# Altium PCB Powerbank.PcbDoc (part 2 of 2)
Units mm, origin at the board's own origin, x right, y up, seen from the top; angles counter-clockwise.
Board outline 50.55 x 47.37 mm, 4 copper layers (L1, L2, L3, L4), stack 0.603 mm thick; 108 components, 63 nets, 357 pads, 198 vias.
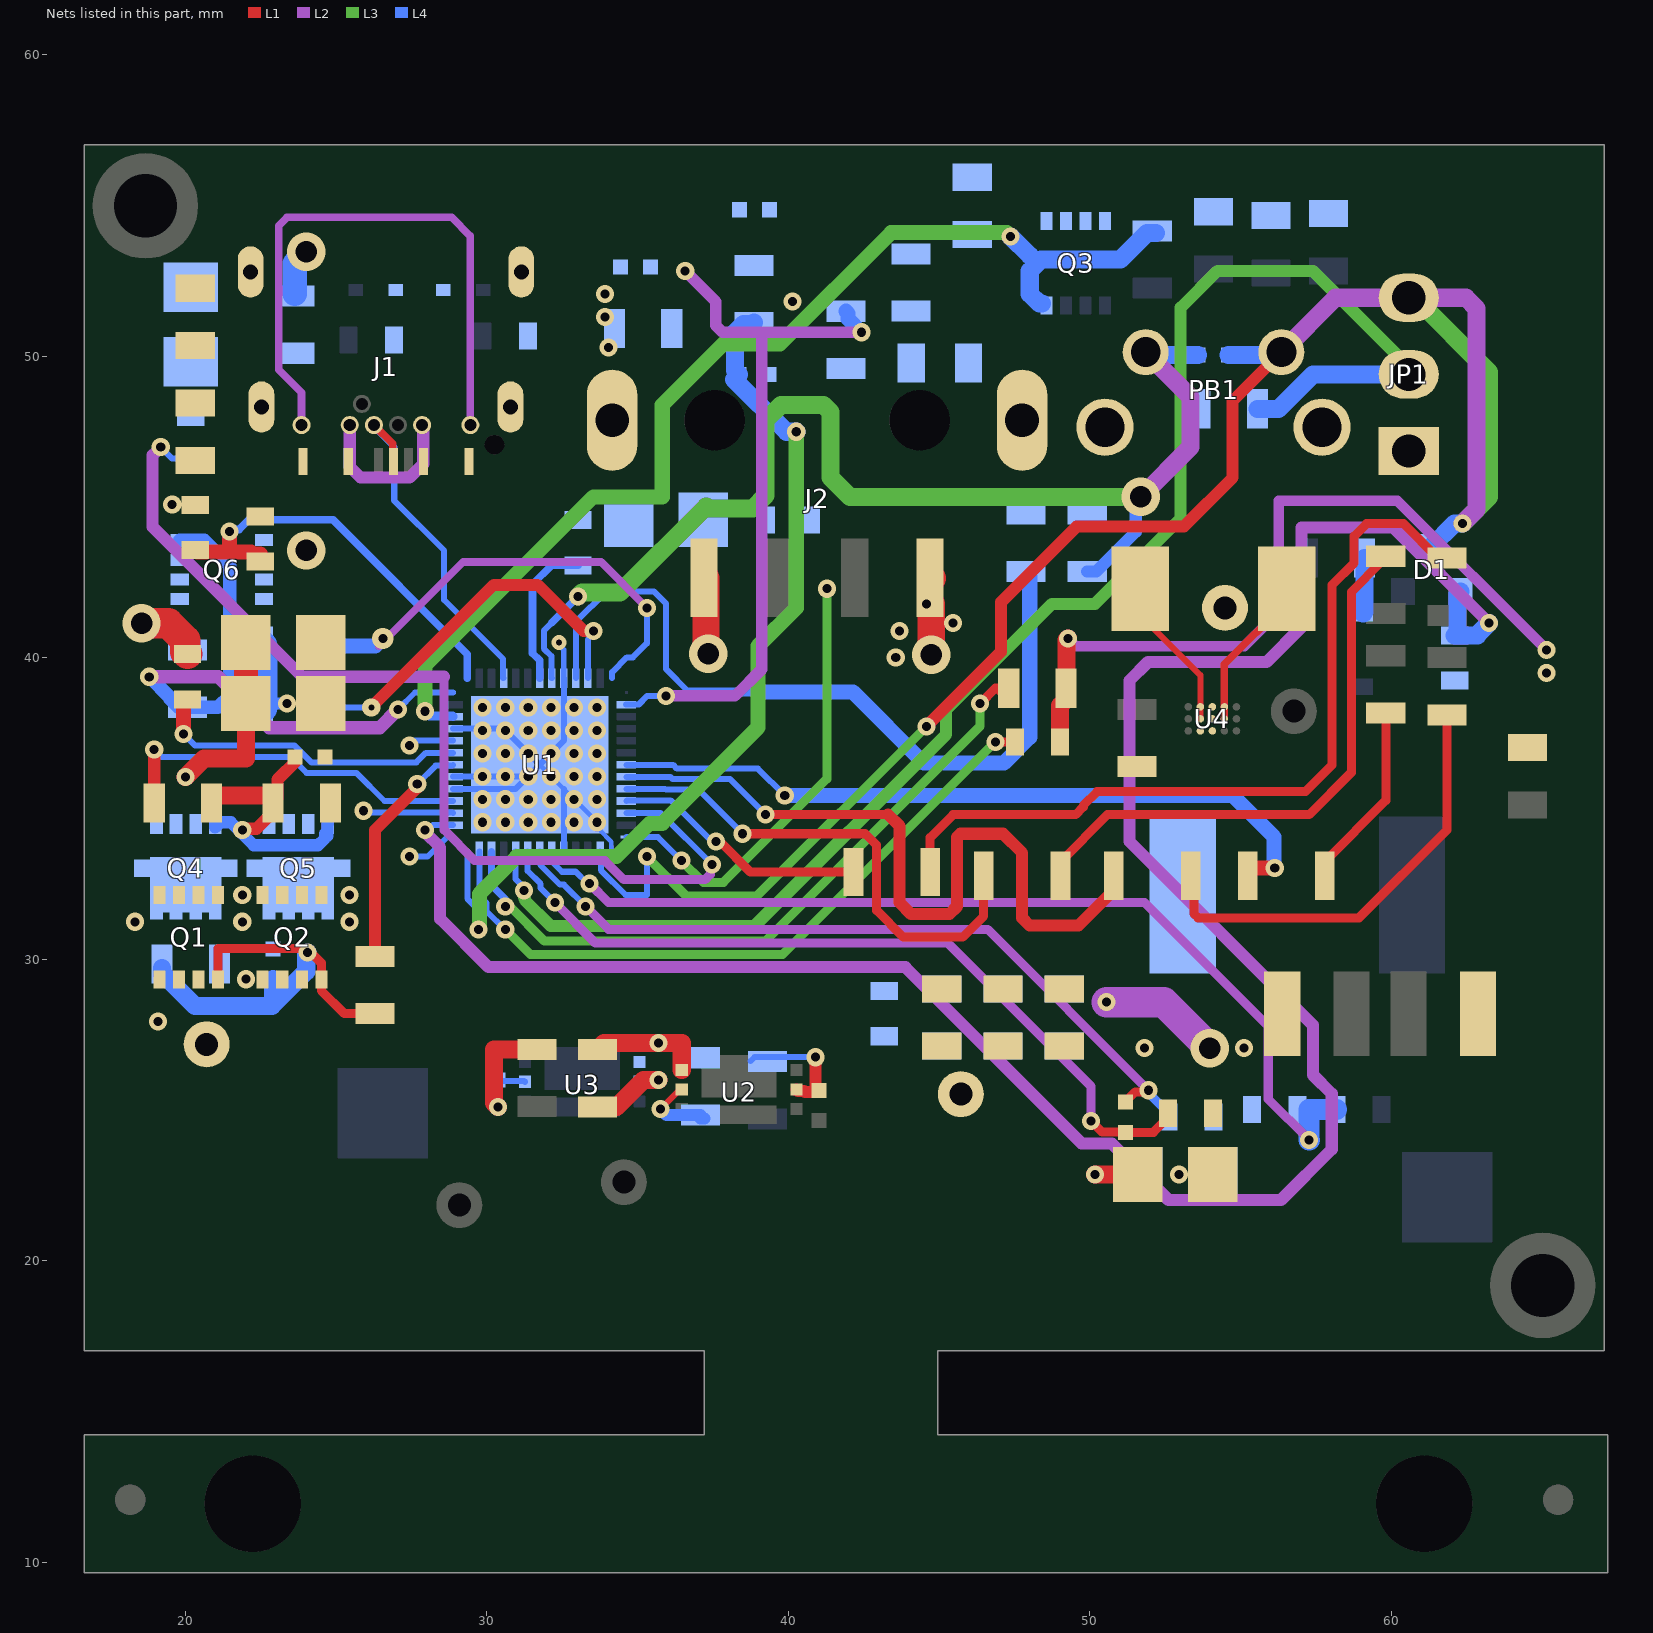
[diagram p4: the nets of this part, all layers, seen from the top]

## Via types
v1: diameter 0.6, hole 0.3, L1 to L4, tented both sides, 162 vias
v2: diameter 0.3, hole 0.3, L1 to L4, tented both sides, 22 vias
v3: diameter 1.27, hole 0.711, L1 to L4, tented both sides, 8 vias
v4: diameter 0.7, hole 0.3, L1 to L4, tented both sides, 2 vias
v5: diameter 0.5, hole 0.3, L1 to L4, tented both sides, 1 vias
v6: diameter 0.6, hole 0.2, L1 to L4, tented both sides, 1 vias
v7: diameter 1.27/1.27/1.27/1.27 (per signal layer), hole 0.711, L1 to L4, tented both sides, 1 vias
v8: diameter 0.5, hole 0.2, L1 to L4, tented both sides, 1 vias

## Nets (pads, with @x,y where several pads share a name; then routed paths per layer and width w, separated by ;. In a path a pad name is that pad's centre, name@x,y a point inside that pad or via, vN(x,y) a via of type N, cw(c..) or ccw(c..) an arc to the next point about the centre after c; other vN are vias at no path point) (continued)
DP_C: J1.A6 J1.B6 U1.4 | length 11.7
  L1 w0.254: J1.B6@26.248,47.722 26.875,47.095 26.875,46.535 J1.A6@26.898,46.512
  L4 w0.2: J1.B6@26.248,47.722 26.248,47.666 26.924,46.99 26.924,45.212 28.575,43.561 28.575,41.922 30.536,39.961 30.536,39.338 U1.4@30.55,39.324
DVDD: C2.1 D1.3 JP1.3 PB1.1 U1.28 | length 62.3
  L1 w0.4: v1(44.577,37.719) 47.053,40.195 47.053,41.846 49.561,44.354 53.117,44.354 54.737,45.974 54.737,48.525 PB1.1@56.352,50.14
  L2 w0.6: PB1.1@56.352,50.14 58.155,51.943 JP1.3@60.579,51.943 62.479,51.943 62.83,51.592 62.83,44.923 v1(62.357,44.45)
  L3 w0.3: v1(35.306,33.401) 36.61,32.097 38.955,32.097 v1(44.577,37.719)
  L3 w0.6: JP1.3@60.579,51.943 60.779,51.943 63.246,49.476 63.246,45.339 v1(62.357,44.45)
  L4 w0.2: U1.28@33.75,33.574 33.775,33.549 33.775,32.958 34.602,32.131 35.306,32.131 v1(35.306,33.401)
  L4 w0.6: C2.1@54.594,50.038 56.25,50.038 PB1.1@56.352,50.14 ; D1.3@61.341,43.651 61.341,43.701 62.09,44.45 v1(62.357,44.45)
GATE1: Q6.G R36.1 U1.52 | length 20.9
  L2 w0.45: v1(18.796,39.37) 21.082,39.37 22.773,37.679 26.442,37.679 v1(27.051,38.288)
  L4 w0.2: v1(27.051,38.288) 27.612,38.849 U1.52@28.875,38.849
  L4 w0.45: v1(18.796,39.37) 19.485,38.681 19.485,38.64 19.766,38.359 R36.1@20.066,38.359 20.071,38.354 21.072,38.354 21.463,38.745 21.463,43.053 20.615,43.901 Q6.G@19.809,43.901
GATE3: Q3.G R32.1 U1.50 | length 37.2
  L3 w0.5: v1(27.94,38.227) 27.94,39.751 33.528,45.339 35.814,45.339 35.814,48.387 37.846,50.419 39.725,50.419 43.408,54.102 47.244,54.102 v1(47.371,53.975)
  L4 w0.3: v1(27.94,38.227) 28.1,38.067 28.857,38.067 U1.50@28.875,38.049 ; 48.006,52.832 48.006,53.34
  L4 w0.6: v1(47.371,53.975) 48.006,53.34 ; Q3.G@48.407,51.751 48.325,51.751 48.006,52.07 48.006,52.832 48.387,53.213 51.013,53.213 51.897,54.097 R32.1@52.197,54.097
GND: C1.1 C3.1 C5.1 C6.1 C7.1 C10.1 C11.1 C12.1 C13.1 C14.1 C15.1 C16.1 C18.1 C19.1 C20.1 C21.1 C22.1 C23.1 C24.1 C26.1 C27.1 C28.1 C29.1 C30.1 C31.1 C32.1 C33.1 D2.2 D3.2 J1.S1 J1.S2 J1.S3 J1.S4 J2.S1 J2.S2 JP1.1 pad.12 PB1.3 PB1.4 R1.2 R6.2 R7.2 R8.1 R9.1 R12.2 R19.2 R22.1 R23.1 R25.2 R26.1 R28.1 R34.1 R37.1 R38.1 T1.1 U1.9 U1.27 U1.31 U1.44 U1.45 U1.49 U1.53 U4.AGND U4.GND U4.VSEL | length 26.7
  L1 w0.2: R28.1@51.562,36.388 R28.1@51.623,36.449
  L2 w1: v1(50.546,28.575) 52.451,28.575 v3(53.975,27.051)
  L4 w0.15: U1.53@31.75,36.449 v1(32.131,36.068) 32.55,35.649 v1(32.893,35.306) v1(33.655,34.544) 33.655,34.29 33.731,34.29 34.12,33.901 U1.27@34.12,33.574
  L4 w0.18: v8(32.385,40.513) 32.385,40.426 32.55,40.261 U1.9@32.55,39.324
  L4 w0.2: v1@23.322,38.481 v1(23.368,38.481) v1@23.371,38.478 ; U1.44@28.875,35.649 30.95,35.649 v1(31.369,36.068) ; U1.45@28.875,36.068 v1(29.845,36.068) v1(30.607,36.068) v1(31.369,36.068) ; U1.49@28.875,37.649 30.55,37.649 v1(30.607,37.592) v1(31.369,36.83) U1.53@31.75,36.449 ; U1.31@32.55,33.574 U1.53@32.55,35.649 ; U1.9@32.55,39.324 32.55,37.249 v1(32.131,36.83) U1.53@31.75,36.449 ; v1(31.369,36.068) U1.53@31.75,36.449
  L4 w0.4: R8.1@22.545,38.354 22.672,38.481 v1@23.322,38.481
  L4 w0.6: PB1.3@50.502,47.65 PB1.3@50.616,47.764
  L4 w1: R8.1@22.545,38.354 R9.1@22.545,40.386
  other v1: 52.959,22.86 51.816,27.051 55.118,27.051 29.845,34.544 30.607,34.544 31.369,34.544 32.131,34.544 32.893,34.544 29.845,35.306 30.607,35.306 31.369,35.306 32.131,35.306 33.655,35.306 32.893,36.068 33.655,36.068 29.845,36.83 30.607,36.83 32.893,36.83 33.655,36.83 29.845,37.592 31.369,37.592 32.131,37.592 32.893,37.592 33.655,37.592 29.845,38.354 30.607,38.354 31.369,38.354 32.131,38.354 32.893,38.354 33.655,38.354 19.558,45.085 34.036,50.292 33.909,51.308 40.132,51.816 33.909,52.07
GND_A: J2.4 R17.1 R19.1 | length 2.5
  L1 w0.9: J2.4@37.271,42.638 37.271,40.199 v3(37.338,40.132)
GND_C: J1.A1 J1.A12 J1.B1 J1.B12 R10.1 R12.1 | length 19.9
  L2 w0.254: J1.B1@23.848,47.722 23.848,48.796 23.091,49.553 23.091,54.333 23.368,54.61 28.829,54.61 29.448,53.991 J1.B12@29.448,47.722
HDRV: R31.1 U1.46 | length 7.9
  L1 w0.4: R31.1@26.035,30.099 26.289,30.353 26.289,34.29 27.686,35.687 v1(27.686,35.814)
  L4 w0.2: v1(27.686,35.814) 28.296,36.424 28.85,36.424 U1.46@28.875,36.449
ISEN: Q4.S Q5.S R37.2 R38.2 U1.42 | length 9.1
  L1 w0.6: v1(19.995,36.05) 20.606,36.66 22.001,36.66 R38.2@22.001,38.481
  L1 w0.8: R38.2@22.001,38.481 R37.2@22.001,40.513
  L4 w0.2: v1(25.908,34.925) 25.959,34.874 28.85,34.874 U1.42@28.875,34.849
LDRV: R33.1 U1.43 | length 12.4
  L1 w0.4: R33.1@18.961,35.179 v1(18.961,36.957)
  L4 w0.2: v1(18.961,36.957) 19.215,36.703 23.495,36.703 24.014,36.184 25.665,36.184 26.6,35.249 U1.43@28.875,35.249
NetC1_2: C1.2 U1.7 | length 5
  L4 w0.25: U1.7@31.75,39.324 31.75,39.911 31.51,40.151 31.51,42.432 32.143,43.065 C1.2@33.02,43.065
NetC2_2: C2.2 PB1.2 R7.1 U1.8 | length 39.9
  L2 w0.6: v3(51.689,45.339) 53.34,46.99 53.34,48.652 PB1.2@51.852,50.14
  L3 w0.6: v1(33.02,42.037) 33.147,42.164 34.417,42.164 37.274,45.021 37.338,44.958 38.818,44.958 39.243,45.383 39.243,47.879 39.751,48.387 41.168,48.387 41.402,48.153 41.402,45.974 42.037,45.339 v3(51.689,45.339)
  L4 w0.2: U1.8@32.15,39.324 32.139,39.335 32.139,40.052 31.885,40.306 31.885,40.902 32.15,41.167
  L4 w0.25: 32.15,41.167 v1(33.02,42.037)
  L4 w0.4: R7.1@49.911,42.865 50.211,42.865 51.523,44.177 51.523,45.173 v3(51.689,45.339)
  L4 w0.6: PB1.2@51.852,50.14 51.954,50.038 C2.2@53.594,50.038
NetC3_2: C3.2 D1.1 U1.41 | length 76.7
  L2 w0.4: v1(27.94,34.29) 27.94,34.218 28.448,33.71 28.448,31.339 30.05,29.737 43.878,29.737 49.727,23.888 50.729,23.888 52.607,22.01 56.339,22.01 58.024,23.695 58.024,25.542 57.404,26.162 57.404,27.813 51.308,33.909 51.308,39.243 51.926,39.861 55.863,39.861 57.023,41.021 57.023,44.323 60.071,44.323 v1(63.246,41.148)
  L4 w0.2: v1(27.94,34.29) 28.048,34.29 28.207,34.449 U1.41@28.875,34.449
  L4 w0.6: C3.2@62.103,40.743 C3.2@62.197,40.743 ; D1.1@62.291,42.201 62.197,42.107 C3.2@62.197,40.743 ; v1(63.246,41.148) 62.865,40.767 62.865,40.743 C3.2@62.197,40.743
NetC4_2: C4.2 R13.1 U2.5 | length 4
  L1 w0.4: U2.5@40.262,25.677 40.312,25.627 40.51,25.627 40.547,25.59 40.902,25.59 v1(40.902,26.749)
  L4 w0.2: R13.1@38.743,26.617 38.875,26.749 v1(40.902,26.749)
NetC7_2: C7.2 R16.1 U1.32 | length 32.5
  L2 w0.3: v1(33.401,32.512) 34.036,31.877 51.816,31.877 55.918,27.775 55.918,25.362 v1(57.274,24.006)
  L4 w0.2: U1.32@32.15,33.47 32.175,33.445 32.175,33.216 32.489,32.902 32.943,32.902 33.333,32.512 v1(33.401,32.512)
  L4 w0.7: v1@57.277,24.003 v1(57.274,24.006) 57.265,24.015 57.265,25.019 R16.1@58.178,25.019
NetC8_2: C8.2 R20.1 U3.5 | length 5.2
  L1 w0.6: v1(30.361,25.098) 30.226,25.233 30.226,27.011 R20.1@31.655,27.011
  L4 w0.2: v1(30.361,25.098) C8.2@30.361,25.981 ; C8.2@30.361,25.987 C8.2@30.361,25.981 ; U3.5@31.255,25.936 31.229,25.961 30.38,25.961 C8.2@30.361,25.981
NetC9_1: C9.1 R25.1 U1.34 | length 26.6
  L1 w0.3: v1(50.038,24.638) 50.411,24.265 51.181,24.265 C9.1@51.189,24.257 52.105,24.257 52.59,24.742 R25.1@52.59,24.892
  L2 w0.3: v1(32.258,31.877) 33.597,30.538 45.281,30.538 50.038,25.781 v1(50.038,24.638)
  L4 w0.2: U1.34@31.35,33.574 31.35,32.928 31.778,32.5 31.778,32.357 v1(32.258,31.877)
NetC9_2: C9.2 R21.1 U1.33 | length 25.8
  L1 w0.3: C9.2@51.181,25.265 51.513,25.597 51.886,25.597 v1(51.943,25.654)
  L2 w0.3: v1(33.274,31.75) 34.036,30.988 46.609,30.988 v1(51.943,25.654)
  L4 w0.2: U1.33@31.75,33.574 31.775,33.549 31.775,33.121 32.422,32.474 32.55,32.474 v1(33.274,31.75)
  L4 w0.3: v1(51.943,25.654) 51.943,25.574 52.602,24.915 R21.1@52.602,24.765
NetC10_2: C10.2 R24.1 R26.2 U1.15 | length 24.2
  L2 w0.381: v1(35.941,38.735) 38.227,38.735 39.116,39.624 39.116,50.8 ; v1(36.576,52.832) 37.592,51.816 37.592,51.023 37.815,50.8 39.116,50.8 ; v1(42.418,50.8) 39.116,50.8
  L4 w0.21: U1.15@34.625,38.449 35.036,38.449 35.322,38.735 v1(35.941,38.735)
  L4 w0.5: R24.1@41.91,51.496 41.983,51.423 41.983,51.235 v1(42.418,50.8)
NetC15_2: C15.2 R27.1 U1.39 | length 31
  L3 w0.5: v1(29.718,30.988) 29.746,31.016 29.746,32.159 30.988,33.401 34.29,33.401 35.398,34.509 35.814,34.509 38.989,37.684 38.989,40.386 40.259,41.656 v1(40.259,47.498)
  L4 w0.2: U1.39@29.35,33.574 29.35,32.007 29.633,31.724 29.633,31.451 29.641,31.443 29.641,31.065 v1(29.718,30.988)
  L4 w0.6: R27.1@38.862,51.12 38.812,51.07 38.512,51.07 38.227,50.785 38.227,49.538 C15.2@38.362,49.403 38.195,49.236 39.933,47.498 v1(40.259,47.498)
NetC16_2: C16.2 R27.2
NetC17_1: C17.1 U1.47 | length 10.7
  L1 w0.5: v1(19.939,37.465) 19.939,38.493 C17.1@20.066,38.62
  L4 w0.2: v1(19.939,37.465) 20.32,37.084 23.622,37.084 24.172,36.534 27.66,36.534 27.975,36.849 U1.47@28.875,36.849
NetC25_1: C25.1 Q1.G Q2.G R30.2 R31.2 | length 14.9
  L1 w0.3: Q1.G@21.079,29.334 21.079,30.353 v1@24.03,30.353 ; v1@24.099,30.284 24.508,29.875 Q2.G@24.508,29.334 24.508,28.959 25.268,28.199 R31.2@26.035,28.199
  L4 w0.3: R30.2@19.22,29.713 R30.2@19.22,29.845 ; 22.771,28.448 22.898,28.575
  L4 w0.6: R30.2@19.22,29.713 19.22,29.545 20.317,28.448 22.771,28.448 22.86,28.448 24.003,29.591 24.003,30.188 v1(24.041,30.226) ; 22.898,28.575 C25.1@22.898,29.345
NetC27_2: C27.2 L2.2 Q3.D
NetC30_2: C30.2 Q4.G Q5.G R33.2 R34.2 | length 10.5
  L1 w0.4: v1(21.882,34.29) 21.92,34.328 22.352,34.328 22.903,34.879 R34.2@22.903,35.179 22.903,35.433 23.022,35.351 23.053,35.329 23.053,35.961 C30.2@23.668,36.576
  L1 w0.6: R33.2@20.861,35.433 R34.2@22.903,35.433
  L4 w0.4: Q4.G@20.984,34.49 20.984,34.37 21.158,34.544 21.501,34.544 22.263,33.782 24.397,33.782 24.63,34.015 24.63,34.175 24.71,34.095 24.71,34.48 Q5.G@24.72,34.49
NetC31_2: C31.2 L4.2 Q6.D | length 1.6
  L4 w0.8: L4.2@23.622,52.07 23.622,53.086 v3(24.003,53.467)
  other v3: 24.003,43.561
NetD4_1: D4.1 R29.1 | length 1.9
  L4 w0.6: D4.1@59.055,41.478 59.077,41.478 59.098,41.499 59.098,41.521 59.116,41.539 R29.1@59.116,43.307
NetL1_1: L1.1 U4.LX1 | length 5.9
  L1 w0.2: L1.1@51.677,42.291 51.677,41.414 53.664,39.427 U4.LX1@53.664,38.373 U4.LX1@53.664,37.973
  L1 w0.8: L1.1@51.677,42.291 L1.1@52.197,41.771
NetL1_2: L1.2 U4.LX2 | length 5.2
  L1 w0.25: U4.LX2@54.464,37.973 U4.LX2@54.464,38.373 54.464,39.785 56.528,41.848 L1.2@56.528,42.291
NetL3_1: L3.1 Q1.D Q2.D Q4.D Q5.D
  other v1: 18.326,31.242 21.882,31.242 25.438,31.242 21.882,32.131 25.438,32.131
NetLabel51: R11.2 R18.2 R21.2 R22.2 R23.2 U2.1 U3.1 | length 5.2
  L1 w0.6: R18.2@33.663,27.003 33.885,27.226 v1(35.695,27.226) 36.462,27.226 U2.1@36.462,26.327 ; v1(50.165,22.86) R23.2@51.592,22.86
NetLED1_1: LED1.1 U1.20 | length 24.5
  L1 w0.5: LED1.1@55.24,32.766 55.24,32.795 55.465,33.02 v1(56.134,33.02)
  L4 w0.2: U1.20@34.625,36.449 36.176,36.449 36.302,36.323 38.988,36.323 v1(39.878,35.433)
  L4 w0.5: v1(39.878,35.433) 54.737,35.433 56.115,34.055 56.115,33.039 v1(56.134,33.02)
NetLED1_2: LED1.2 R2.1 | length 6.2
  L1 w0.3: LED1.2@57.79,32.766 57.79,33.241 59.817,35.268 R2.1@59.817,38.166
NetLED2_1: LED2.1 U1.21 | length 25.5
  L1 w0.3: v1(39.243,34.798) 43.307,34.798
  L1 w0.4: 43.307,34.798 43.688,34.417 43.688,31.877 44.069,31.496 45.339,31.496 45.593,31.75 45.593,34.046 45.71,34.163 47.117,34.163 47.752,33.528 47.752,31.369 48.006,31.115 49.619,31.115 50.795,32.291 LED2.1@50.795,32.766
  L4 w0.2: U1.21@34.625,36.049 36.081,36.049 36.157,35.973 38.068,35.973 v1(39.243,34.798)
NetLED2_2: LED2.2 R3.1 | length 14.8
  L1 w0.3: LED2.2@53.345,32.766 53.447,32.664 53.447,31.516 53.594,31.369 58.928,31.369 61.849,34.29 R3.1@61.849,38.105
NetLED3_1: LED3.1 U1.22 | length 16.8
  L1 w0.3: v1(38.481,34.163) 42.545,34.163 42.926,33.782 42.926,31.623 43.815,30.734 45.782,30.734 46.477,31.429 LED3.1@46.477,32.766
  L4 w0.2: U1.22@34.625,35.649 35.91,35.649 35.936,35.623 37.021,35.623 v1(38.481,34.163)
NetLED3_2: LED3.2 R4.1 | length 19.3
  L1 w0.3: LED3.2@49.027,32.766 49.027,33.241 50.584,34.798 57.277,34.798 58.674,36.195 58.674,42.179 59.69,43.195 59.517,43.368 R4.1@59.817,43.368
NetLED4_1: LED4.1 U1.23 | length 8.5
  L1 w0.3: v1(37.592,33.909) 37.719,33.909 38.735,32.893 LED4.1@42.159,32.893
  L4 w0.2: U1.23@34.625,35.249 34.649,35.273 36.093,35.273 37.457,33.909 v1(37.592,33.909)
NetLED4_2: LED4.2 R5.1 | length 27.1
  L1 w0.3: LED4.2@44.709,32.893 44.704,32.898 44.704,34.036 45.466,34.798 49.53,34.798 49.784,35.052 49.784,35.103 50.241,35.56 57.15,35.56 58.039,36.449 58.039,42.418 58.766,43.145 58.766,44.034 59.182,44.45 60.406,44.45 61.549,43.307 R5.1@61.849,43.307
NetR6_1: R6.1 U1.10 | length 26.7
  L4 w0.2: U1.10@32.95,39.324 32.95,41.189 33.967,42.206 35.534,42.206 35.941,41.799 35.941,39.624 36.703,38.862
  L4 w0.3: 36.703,38.862 39.131,38.862
  L4 w0.5: 39.131,38.862 42.138,38.862 44.489,36.511 47.153,36.511 48.006,37.364 R6.1@48.006,42.692
NetR8_2: R8.2 U1.11 | length 13.2
  L1 w0.4: v6(26.162,38.354) 30.226,42.418 31.681,42.418 33.205,40.894 v1(33.528,40.894)
  L4 w0.2: R8.2@24.252,38.354 v6(26.162,38.354) ; U1.11@33.35,39.324 33.35,40.608 33.528,40.786 v1(33.528,40.894)
NetR9_2: R9.2 U1.13 | length 15.8
  L2 w0.254: v4@26.416,40.386 29.21,43.18 33.782,43.18 v1(35.306,41.656)
  L4 w0.2: U1.13@34.15,39.324 34.15,39.524 34.64,40.014 34.84,40.014 35.306,40.48 v1(35.306,41.656)
  L4 w0.5: R9.2@24.445,40.386 24.445,40.39 26.293,40.39 v4(26.543,40.64)
NetR10_2: R10.2 U1.24 | length 34.3
  L2 w0.3: 28.575,39.37 28.575,34.29 29.591,33.274 33.909,33.274 34.544,32.639 37.232,32.639 37.408,32.815 37.408,33.09 v1(37.465,33.147)
  L2 w0.4: v1(19.177,46.99) 18.908,46.721 18.908,44.338 23.876,39.37 28.575,39.37
  L4 w0.2: v1(19.177,46.99) 19.558,46.609 20.056,46.609 R10.2@20.171,46.494 ; U1.24@34.625,34.849 35.763,34.849 v1(37.465,33.147)
NetR11_1: R11.1 U2.2 | length 2.5
  L1 w0.2: v1(35.753,25.03) 36.365,25.641 36.426,25.641 U2.2@36.462,25.677
  L4 w0.4: v1(35.753,25.03) 35.952,24.831 R11.1@37.084,24.831 ; R11.1@37.084,24.717 R11.1@37.219,24.717
NetR14_1: R14.1 U1.37 | length 23.3
  L1 w0.3: v1(46.355,38.481) 46.863,38.989 46.929,38.989 R14.1@47.31,38.608
  L3 w0.3: v1(30.607,31.75) 30.759,31.75 31.909,30.6 39.226,30.6 46.355,37.729 v1(46.355,38.481)
  L4 w0.24: U1.37@30.15,33.574 30.15,32.456 30.607,31.999 v1(30.607,31.75)
NetR14_2: R14.2 R15.2 T1.2 | length 25.5
  L1 w0.6: R15.2@49.01,37.211 49.01,38.408 R14.2@49.21,38.608 ; R14.2@49.228,38.848 49.228,40.592 v1(49.276,40.64)
  L2 w0.35: v1(49.276,40.64) 49.53,40.386 55.118,40.386 56.261,41.529 56.261,45.212 60.198,45.212 T1.2@65.151,40.259
NetR15_1: R15.1 U1.38 | length 23.1
  L1 w0.3: v1(46.863,37.211) R15.1@47.51,37.211
  L3 w0.3: v1(30.607,30.988) 31.445,30.15 39.802,30.15 v1(46.863,37.211)
  L4 w0.2: U1.38@29.75,33.574 29.75,32.102 29.983,31.869 29.983,31.596 30.591,30.988 v1(30.607,30.988)
NetR17_2: R17.2 U1.26 | length 15
  L3 w0.3: v1(36.449,33.274) 37.176,32.547 37.841,32.547 41.275,35.981 v1(41.275,42.291)
  L4 w0.2: U1.26@34.625,34.049 35.674,34.049 v1(36.449,33.274)
NetR18_1: R18.1 U3.2 | length 3.1
  L1 w0.6: R18.1@33.663,25.103 34.303,25.103 35.187,25.987 v1(35.695,25.987)
  L4 w0.4: U3.2@35.055,25.936 35.08,25.961 35.669,25.961 v1(35.695,25.987)
TST1: JP1.2 R1.1 U1.35 | length 52.1
  L3 w0.4: v1(31.223,32.277) 31.223,32.053 31.257,32.019 31.257,31.959 32.116,31.1 38.877,31.1 45.227,37.45 45.227,38.272 48.738,41.783 50.165,41.783 53.014,44.632 53.014,51.617 54.229,52.832 57.404,52.832 60.388,49.848 60.388,49.594 JP1.2@60.579,49.403
  L4 w0.2: U1.35@30.95,33.574 30.95,32.658 31.223,32.385 v1(31.223,32.277)
  L4 w0.6: R1.1@55.56,48.26 56.261,48.26 57.404,49.403 JP1.2@60.579,49.403
VBUS1: C32.2 R35.1 U1.1 | length 13.6
  L1 w0.5: C32.2@20.32,43.573 20.389,43.503 21.399,43.503 ; v1(21.463,44.196) 21.463,43.567 21.399,43.503 ; R35.1@22.479,43.434 22.237,43.434 22.168,43.503 21.399,43.503
  L4 w0.254: v1(21.463,44.196) 21.524,44.257 21.778,44.257 22.098,44.577 24.892,44.577 29.35,40.119 U1.1@29.35,39.324
VBUS_A: C26.2 J2.1 L2.1 R24.2 | length 1.7
  L1 w0.9: v3(44.738,40.099) J2.1@44.738,41.783 ; J2.1@44.738,42.604 J2.1@44.771,42.638
  other v1: 43.561,40.005 43.688,40.894 45.466,41.148 44.577,41.783
VBUS_C: C33.2 J1.A4 J1.A9 J1.B4 J1.B9 L4.1 R35.2 | length 5.5
  L2 w0.4: J1.B4@25.448,47.722 25.448,46.335 25.81,45.974 27.432,45.974 27.886,46.428 27.886,47.684 J1.B9@27.848,47.722
VCC: C17.2 C18.2 C19.2 C20.2 C21.2 C22.2 C23.2 C24.2 C25.2 pad.8 pad.9 Q1.S Q2.S Q6.S R30.1 R36.2 U1.40 U1.48 | length 5.4
  L1 w1: v3(18.542,41.148) 19.431,41.148 19.991,40.588 19.991,40.195 C17.2@20.066,40.12
  L4 w0.2: v1(27.432,33.401) 28.027,33.401 28.675,34.049 U1.40@28.875,34.049 ; v1(27.432,37.084) 27.597,37.249 U1.48@28.875,37.249
  other v1: 19.088,27.94 22.009,29.337
pads on no net: FID1.1 FID2.1 FID3.1 FID4.1 J1. J2. MH1.1 MH2.1 MH3.1 MH4.1 U1.2 U1.5 U1.6 U1.14 U1.25 U1.29 U1.30 U1.36 U1.51 U2.7 U2.8 U3.7 U3.8 U4.SCL U4.SDA
copper on no net:
  other v1: 37.465,25.908 32.131,26.035 32.766,26.035 33.528,26.035
  other v2: 37.211,14.351 38.1,14.351 38.862,14.351 39.624,14.351 40.386,14.351 41.148,14.351 41.91,14.351 42.672,14.351 43.434,14.351 44.196,14.351 44.958,14.351 37.211,17.018 38.1,17.018 38.862,17.018 39.624,17.018 40.386,17.018 41.148,17.018 41.846,17.018 42.672,17.018 43.434,17.018 44.196,17.018 44.958,17.018

## Polygon pours and split planes (outlines as drawn)
NetLabel51 on L4 (solid, pour order 272): 52.451,21.844 52.451,24.003 54.356,24.003 54.61,24.257 54.61,25.781 53.721,25.781 53.086,26.416 51.181,26.416 51.181,27.432 50.292,27.432 50.292,26.035 50.546,25.781 50.546,24.257 49.784,23.495 42.926,23.495 42.037,24.384 42.037,28.321 35.179,28.321 34.671,27.813 34.671,26.416 34.798,26.289 35.433,26.289 35.433,26.543 36.195,26.543 36.195,26.289 36.322,26.162 36.449,26.289 38.481,26.289 38.481,27.051 40.513,27.051 40.767,27.305 41.275,27.305 41.275,26.416 40.894,26.035 40.894,23.114 41.402,22.606 41.91,22.606 42.164,22.352 42.164,21.717 42.291,21.59 42.545,21.844
B- on L4 "L4-B-" (solid, pour order 40): 35.306,25.527 35.306,24.765 37.465,22.606 37.465,18.161 21.844,18.161 21.844,27.178 22.479,27.813 31.115,27.813 31.369,27.559 31.369,25.4 34.676,25.4 34.671,25.527
2nd_BOOST on L4 "L4-2nd_BOOST" (solid, pour order 246): 59.309,53.467 59.055,53.467 52.832,53.467 52.197,52.832 51.435,52.832 51.054,52.451 49.022,52.451 49.022,50.419 49.657,49.784 50.673,49.784 50.673,50.546 51.181,51.054 52.578,51.054 52.959,50.673 55.499,50.673 56.007,51.181 57.023,51.181 57.785,50.419 59.309,50.419
GND on L4 "L4-GND" (solid, pour order 244): 17.145,53.086 17.145,44.45 20.447,44.45 20.701,44.704 21.717,44.704 21.717,45.466 21.59,45.593 19.304,45.593 18.669,46.228 18.669,50.927 18.923,51.181 21.59,51.181 21.59,47.244 22.86,47.244 23.114,47.498 23.114,49.022 22.987,49.022 22.606,49.403 22.606,53.721 22.733,53.848 22.733,54.356 25.781,54.356 25.781,52.832 26.416,52.832 26.416,50.165 26.67,49.911 29.21,49.911 29.21,52.324 29.845,52.959 30.607,52.197 30.607,49.784 30.734,49.657 30.099,49.022 30.099,47.752 30.988,46.863 30.988,44.069 33.274,44.069 34.163,43.18 35.941,43.18 35.941,48.895 34.798,50.038 34.798,53.975 35.814,53.975 36.068,54.229 36.068,55.562 38.925,55.562 39.116,55.372 39.116,54.229 39.878,54.229 39.878,52.197 39.751,52.07 39.751,50.292 39.37,49.911 38.989,49.911 38.989,49.276 40.132,48.133 40.64,48.133 40.64,56.896 20.828,56.896 20.574,56.642 20.574,53.086
NetC16_2 on L4 "L4-NetC16_2" (solid, pour order 240): 38.735,55.245 38.735,55.118 38.735,53.594 39.624,53.594 39.624,52.451 37.973,52.451 37.973,55.245
NetC31_2 on L4 "L4-NetC31_2" (solid, pour order 206): 22.225,44.196 24.638,44.196 24.638,41.529 22.225,41.529
GND_C on L4 "L4-GND_C" (solid, pour order 216): 21.209,50.8 19.05,50.8 19.05,48.006 20.066,46.99 20.828,46.99 20.828,46.101 21.082,45.847 22.225,45.847 22.225,45.085 22.352,44.958 24.257,44.958 24.257,48.006 23.876,48.387 23.495,48.387 23.368,48.26 23.368,47.117 23.241,46.99 21.463,46.99 21.209,47.371
VCC on L4 "L4-VCC" (solid, pour order 214): 17.145,18.161 21.59,18.161 21.59,27.813 21.463,27.94 19.812,27.94 19.304,28.448 18.542,28.448 17.907,29.083 17.907,39.37 18.161,39.624 18.161,40.005 18.923,40.005 19.558,39.37 20.955,39.37 20.955,42.799 20.32,43.434 18.161,43.434 17.145,43.434
GND on L4 "L4-GND 1" (solid, pour order 210): 61.722,38.862 61.976,38.862 63.627,37.211 66.167,37.211 66.167,56.769 52.451,56.769 52.451,54.737 53.086,54.737 53.086,54.483 53.594,53.975 61.849,53.975 61.849,48.514 61.468,48.133 58.928,48.133 58.674,48.387 57.404,48.387 55.626,46.609 54.737,46.609 54.737,49.149 49.276,49.149 46.99,51.435 46.99,53.467 46.736,53.467 46.736,54.61 45.339,54.61 45.339,46.101 47.625,43.815 50.292,43.815 50.927,44.45 50.927,46.228 52.451,46.228 52.705,45.974 52.705,40.386 54.61,40.386 55.753,41.529 55.753,45.212 64.008,45.212 64.008,40.513 63.5,40.005 61.722,40.005 61.722,39.624
VCC on L4 "L4-VCC 1" (solid, pour order 204): 23.241,30.607 19.812,30.607 19.812,29.718 20.574,28.956 22.352,28.956 22.352,29.464 22.86,29.972 23.241,29.972
VBUS_C on L4 "L4-VBUS_C" (solid, pour order 198): 24.765,51.181 24.765,49.403 25.273,49.403 25.4,49.276 25.4,48.133 25.527,48.133 25.781,47.879 25.781,47.371 25.908,47.371 26.543,46.736 26.543,45.085 24.638,45.085 24.511,45.212 24.511,48.26 23.749,49.022 23.749,49.53 22.86,49.53 22.86,51.181
no net on L4 "L4-No Net 1" (solid, pour order 196): 24.511,50.673
NetL3_1 on L4 "L4-NetL3_1" (solid, pour order 176): 25.146,30.353 26.924,28.575 41.402,28.575 41.402,28.702 43.053,30.353 51.816,30.353 51.816,29.337 54.229,29.337 54.229,34.798 40.64,34.798 36.322,30.48 28.956,30.48 26.035,33.401 18.199,33.401 18.199,30.988 25.146,30.988
NetR17_2 on L4 "L4-NetR17_2" (solid, pour order 194): 41.402,45.339 42.164,44.577 42.164,42.037 41.91,41.783 40.386,41.783 40.386,45.339
VBUS_A on L4 "L4-VBUS_A" (solid, pour order 192): 45.339,51.816 43.434,51.816 43.434,50.673 43.053,50.292 41.402,50.292 40.767,49.657 40.767,46.228 41.148,46.228 42.545,44.831 42.545,39.497 43.561,38.481 46.863,38.481 46.863,42.799 45.466,44.196
no net on L4 "L4-No Net 2" (solid, pour order 190): 45.339,52.451
NetC27_2 on L4 "L4-NetC27_2" (solid, pour order 184): 51.054,56.769 51.054,54.102 48.26,54.102 48.26,54.991 45.085,54.991 45.085,52.832 40.894,52.832 40.894,56.769
GND_A on L4 "L4-GND_A" (solid, pour order 182): 39.878,45.974 39.878,39.624 39.624,39.37 36.83,39.37 36.322,39.878 36.322,45.974
VCC on L4 "L4-VCC 2" (solid, pour order 180): 50.038,27.94 42.418,27.94 42.418,25.146 43.688,23.876 49.022,23.876 49.022,24.765 49.784,25.527 50.038,25.527
GND on L4 "L4-GND 2" (solid, pour order 178): 51.435,26.67 51.435,27.559 50.8,28.194 50.165,28.194 49.911,28.448 42.545,28.448 42.545,29.464 42.926,29.845 51.435,29.845 51.435,29.21 52.07,28.575 56.134,28.575 56.134,22.098 55.88,21.844 52.832,21.844 52.705,21.971 52.705,23.876 54.483,23.876 54.864,24.257 54.864,26.289 53.721,26.289 53.34,26.67
2nd_BOOST on L4 "L4-2nd_BOOST 1" (solid, pour order 172): 58.547,44.577 58.547,41.275 58.039,40.767 58.039,37.465 56.134,37.465 55.626,37.973 55.626,40.132 56.261,40.767 56.261,44.577
B+ on L4 "L4-B+" (solid, pour order 170): 38.1,18.161 62.357,18.161 65.832,26.574 66.006,33.865 61.468,37.592 61.468,43.053 59.944,43.053 59.944,40.012 58.547,40.005 58.547,38.481 60.132,38.481 60.132,36.972 55.372,36.972 55.372,39.942 51.943,39.941 51.943,35.052 56.197,35.052 58.039,35.052 58.039,27.305 58.801,26.543 58.801,24.003 56.007,21.209 40.513,21.209 40.513,25.654 38.1,25.654
ISEN on L4 "L4-ISEN" (solid, pour order 128): 24.295,35.052 25.146,35.052 25.146,34.925 25.527,34.544 26.289,34.544 26.289,35.179 26.162,35.179 25.908,35.433 24.765,35.433 23.495,36.449 18.199,36.449 18.199,33.909 18.707,33.909 20.612,33.909 20.612,34.925 22.517,34.925 22.517,34.036 24.295,34.036
no net on L4 "L4-No Net" (solid, pour order 124): 29.21,34.925
NetC10_2 on L4 "L4-NetC48_2" (solid, pour order 2): 36.83,52.07 36.83,50.165 36.703,50.038 35.56,50.038 35.56,51.943 35.179,52.324 35.179,52.451 35.052,52.578 35.052,53.34 36.83,53.34
B+ on L1 (solid, pour order 270): 62.738,42.164 59.182,42.164 58.928,41.91 58.928,39.116 59.309,38.735 62.484,38.735 62.611,38.608 62.611,34.417 59.69,31.496 59.69,31.242 64.135,31.242 64.135,26.543 63.246,25.654 61.595,25.654 61.595,29.464 61.468,29.591 58.039,29.591 57.785,29.337 57.785,25.019 57.15,25.019 56.261,24.13 56.261,21.336 32.258,21.336 32.131,21.463 32.131,24.511 32.385,24.765 32.385,25.527 30.861,25.527 30.861,21.082 31.75,20.193 31.75,18.034 62.738,18.034 62.738,20.193 64.135,21.59 66.548,21.59 66.548,35.814 66.421,35.941 63.627,35.941 63.627,40.513 62.738,40.513
GND on L1 (solid, remove dead copper, pour order 268): 66.548,39.243 66.685,55.88 25.4,55.88 25.4,51.943 22.86,51.943 22.86,53.721 21.844,53.721 21.463,53.34 21.463,51.054 19.431,51.054 19.177,50.8 19.177,30.607 41.91,30.607 41.91,30.353 43.942,28.321 49.657,28.321 51.689,26.289 53.086,26.289 53.086,24.13 52.705,23.876 52.705,21.717 55.753,21.717 55.753,24.384 57.531,26.162 57.531,29.845 61.976,29.845 61.976,26.289 63.246,26.289 63.881,26.924 63.881,30.988 55.499,30.988 55.499,45.466 64.516,45.466 64.516,36.576 66.548,36.576
2nd_BOOST on L1 (solid, pour order 250): 54.737,38.481 54.737,37.846 55.372,37.846 56.134,37.084 57.531,37.084 57.531,39.116 55.118,39.116
no net on L1 (solid, pour order 248): 54.864,38.373
NetC31_2 on L1 "L1-NetC31_2" (solid, pour order 232): 25.146,52.324 23.241,52.324 23.241,54.102 21.336,54.102 21.336,53.721 21.082,53.467 21.082,51.816 20.828,51.562 18.796,51.562 18.796,47.752 18.796,43.942 19.939,42.799 22.733,42.799 22.733,43.434 23.495,44.196 25.146,44.196 26.162,43.18 26.162,42.037 19.05,42.037 17.78,43.307 17.78,52.832 19.558,52.832 20.828,54.102 20.828,55.118 25.146,55.118
GND_C on L1 "L1-GND_C" (solid, pour order 228): 29.591,50.927 29.591,48.006 29.845,47.752 29.845,45.847 29.718,45.72 28.956,45.72 28.956,49.53 28.829,49.657 24.257,49.657 24.13,49.53 24.13,48.006 24.257,47.879 24.257,47.498 24.13,47.371 24.13,46.101 24.003,45.974 23.749,45.974 23.749,47.244 23.241,47.752 23.241,50.927
VBUS_C on L1 "L1-VBUS_C" (solid, pour order 226): 19.685,45.593 20.955,45.593 20.955,44.704 21.844,44.704 21.971,44.577 25.654,44.577 25.654,46.99 25.781,46.99 25.781,47.879 25.4,48.26 25.4,48.895 26.035,48.895 26.416,48.514 26.416,48.26 27.305,48.26 27.432,48.133 27.432,47.625 27.686,47.371 27.686,45.72 28.448,45.72 28.448,49.403 24.511,49.403 24.384,49.276 24.384,47.244 24.257,47.117 24.257,45.847 23.495,45.847 23.495,47.117 23.368,47.244 19.685,47.244
VCC on L1 "L1-VCC" (solid, pour order 84): 50.038,27.559 50.038,25.654 48.768,24.384 48.768,22.098 43.053,22.098 42.037,23.114 42.037,27.559 40.767,28.575 29.21,28.575 29.21,24.892 25.781,21.463 20.574,21.463 18.288,23.749 18.288,29.845 20.701,29.845 20.701,29.718 24.13,29.718 24.13,27.305 27.432,27.305 27.432,29.972 27.686,30.226 41.529,30.226 43.815,27.94 48.514,27.94 48.895,27.559
B- on L1 "L1-B-" (solid, pour order 120): 29.337,24.384 25.781,20.828 18.542,20.828 18.542,18.288 30.734,18.288 30.734,20.574 30.099,21.209 30.099,24.384
no net on L1 "L1-No Net 2" (solid, pour order 114): 25.781,47.879
B- on L1 "L1-B- 1" (solid, pour order 104): 35.433,21.717 32.893,21.717 32.385,22.225 32.385,24.384 35.433,24.384
no net on L1 "L1-No Net 1" (solid, pour order 86): 28.956,48.133
NetL3_1 on L1 "L1-NetL8_1" (solid, pour order 18): 25.565,33.528 25.565,30.861 17.945,30.861 17.945,33.528
no net on L1 "L1-No Net" (solid, pour order 16): 20.739,32.512
GND on L2 "L2-GND" (solid, remove dead copper, pour order 142): 64.135,38.989 66.675,38.989 66.548,39.116 66.548,56.388 20.828,56.388 20.828,53.848 19.812,52.832 19.939,39.878 29.21,39.878 29.21,34.163 34.036,34.163 34.036,34.544 48.514,34.544 55.499,41.529 55.499,45.72 60.452,45.72 65.659,40.513 65.659,39.878 64.135,39.878
NetC31_2 on L2 "L2-NetC31_2" (solid, pour order 222): 25.019,44.704 22.733,44.704 22.733,41.529 24.892,41.529 25.019,41.656
VCC on L2 "L2-VCC" (solid, pour order 144): 45.085,27.178 45.466,27.178 49.276,23.368 49.276,21.463 44.069,21.463 44.069,25.019 36.322,25.019 36.322,27.94 34.925,27.94 34.925,25.4 17.018,25.4 17.018,51.689 18.415,51.689 18.415,43.815 19.304,42.926 19.304,40.259 18.034,40.259 18.034,38.1 20.447,38.1 20.574,38.227 21.844,36.957 26.67,36.957 27.221,37.508 28.067,37.508 28.067,36.576 27.559,36.576 27.178,36.195 27.178,34.163 27.94,33.401 27.94,30.988 30.099,28.829 43.942,28.829 43.942,28.702 45.593,27.051
B+ on L2 "L2-B+" (solid, pour order 138): 61.976,41.529 60.706,42.799 59.182,42.799 59.182,36.957 54.61,36.957 54.102,37.465 54.102,39.497 52.197,39.497 52.197,34.544 58.674,28.067 58.674,22.225 57.531,21.082 43.815,21.082 43.815,17.526 43.942,17.399 62.484,17.399 62.484,20.193 64.262,21.971 65.024,21.971 65.024,36.703 65.024,37.084
2nd_BOOST on L2 "L2-2nd_BOOST" (solid, pour order 130): 58.674,43.815 57.785,43.815 57.785,41.021 55.372,38.608 55.372,37.338 58.674,37.338
no net on L2 "L2-No Net" (solid, pour order 76): 39.624,27.686 39.624,25.4 37.084,25.4 37.084,27.686
no net on L2 "L2-No Net 1" (solid, pour order 100): 34.29,27.813 31.369,27.813 31.369,25.654 34.417,25.654 34.417,27.686
VBUS_A on L2 "L2-VBUS_A" (solid, pour order 98): 46.482,42.418 46.482,39.116 42.545,39.116 42.545,42.418
B- on L2 "L2-B-" (solid, pour order 96): 17.145,24.384 17.145,17.526 43.307,17.526 43.307,24.384
GND on L3 "L3-GND" (solid, remove dead copper, pour order 152): 66.167,43.307 66.167,55.499 21.971,55.499 19.812,52.451 19.812,46.609 19.812,41.148 22.987,41.148 22.987,35.041 28.691,29.337 47.752,29.337 47.752,25.908 51.181,22.479 54.737,22.479 57.023,24.765 57.023,30.099 59.563,32.639 59.563,43.307
NetC31_2 on L3 "NETC31_2_L03_P238" (solid, remove dead copper, pour order 238): 23.114,43.053 23.368,42.799 25.146,42.799 25.146,46.355 25.019,46.355 25.019,53.975 24.765,54.229 23.241,54.229 23.241,46.355 23.114,46.355
VBUS_A on L3 "L3-VBUS_A" (solid, pour order 166): 43.18,43.18 43.18,39.243 43.434,38.989 45.339,38.989 45.974,39.624 45.974,43.18
VCC on L3 "L3-VCC" (solid, remove dead copper, pour order 162): 47.371,23.495 43.053,23.495 43.053,24.765 36.449,24.765 36.322,24.638 18.415,24.638 17.526,25.527 17.526,44.958 18.796,44.958 19.304,44.45 19.304,40.767 21.971,40.767 22.479,40.259 22.479,36.957 22.479,33.782 27.559,33.782 27.813,33.528 27.813,28.829 47.244,28.829 47.371,28.702
VBUS_C on L3 "L3-VBUS_C" (solid, pour order 158): 27.559,47.244 28.829,47.244 28.829,51.435 25.146,51.435 25.146,47.244 25.781,47.244 25.781,48.006 25.527,48.006 25.527,48.133 25.4,48.26 25.4,48.895 27.559,48.895
B+ on L3 "L3-B+" (solid, pour order 112): 43.053,18.034 60.706,18.034 66.548,23.876 66.548,36.83 61.722,41.91 61.722,42.926 59.944,42.926 59.944,32.385 57.785,30.226 57.785,26.416 58.42,26.416 58.42,23.495 57.15,22.225 49.53,22.225 49.022,22.733 43.18,22.733 43.053,22.606
no net on L3 "L3-No Net 1" (solid, pour order 122): 34.29,27.559 34.29,25.019 31.75,25.019 31.75,27.559
no net on L3 "L3-No Net" (solid, pour order 74): 39.624,27.686 39.624,25.4 37.084,25.4 37.084,27.686
B- on L3 "L3-B-" (solid, pour order 102): 41.91,18.161 17.78,18.161 17.78,24.257 41.91,24.257
no net on Multi-Layer (solid): 25.273,44.958

## Other copper
L2:
  pour cut-out: 29.083,50.419
L4:
  pour cut-out: 20.913,53.086 21.082,53.086 21.082,53.149

## Silkscreen, mask and mechanical layers (free items; w line width, h text height)
Top Overlay:
  text "B-" at 23.876,21.844 h1.52
Bottom Overlay:
  lines w0.2: 60.198,20.447 60.198,23.749 63.5,23.749 ; 24.765,23.368 24.765,26.543 28.194,26.543 28.194,23.241 24.892,23.241 24.765,23.368
Mechanical 15:
  lines w0.2: 37.211,17.018 37.211,14.351 37.338,14.224 16.637,14.224 16.637,9.652 67.183,9.652 67.183,14.351 44.958,14.351 44.958,17.018 ; 16.637,17.018 67.056,17.018 67.056,57.023 16.637,57.023 16.637,17.018

## Dimensions
66.788,62.738 to 16.369,60.833 on Mechanical 15
70.104,55.626 to 68.961,18.669 on Mechanical 15

## Text inside footprints (layer, text, board x,y; h text height)
LED1: Top Overlay "-" at 55.626,32.131 h1 r180
LED2: Top Overlay "-" at 51.181,32.131 h1 r180
LED3: Top Overlay "-" at 46.863,32.131 h1 r180